# Altium PCB rpi_pico_2_hat.PcbDoc (part 1 of 2)
Units mil, origin at the board's own origin, x right, y up, seen from the top; angles counter-clockwise.
Board outline 970.71 x 2205.08 mil, 4 copper layers (Top Layer, Ground Plane, Middle Layer, Bottom Layer), stack 61.368 mil thick; 73 components, 64 nets, 231 pads, 151 vias.
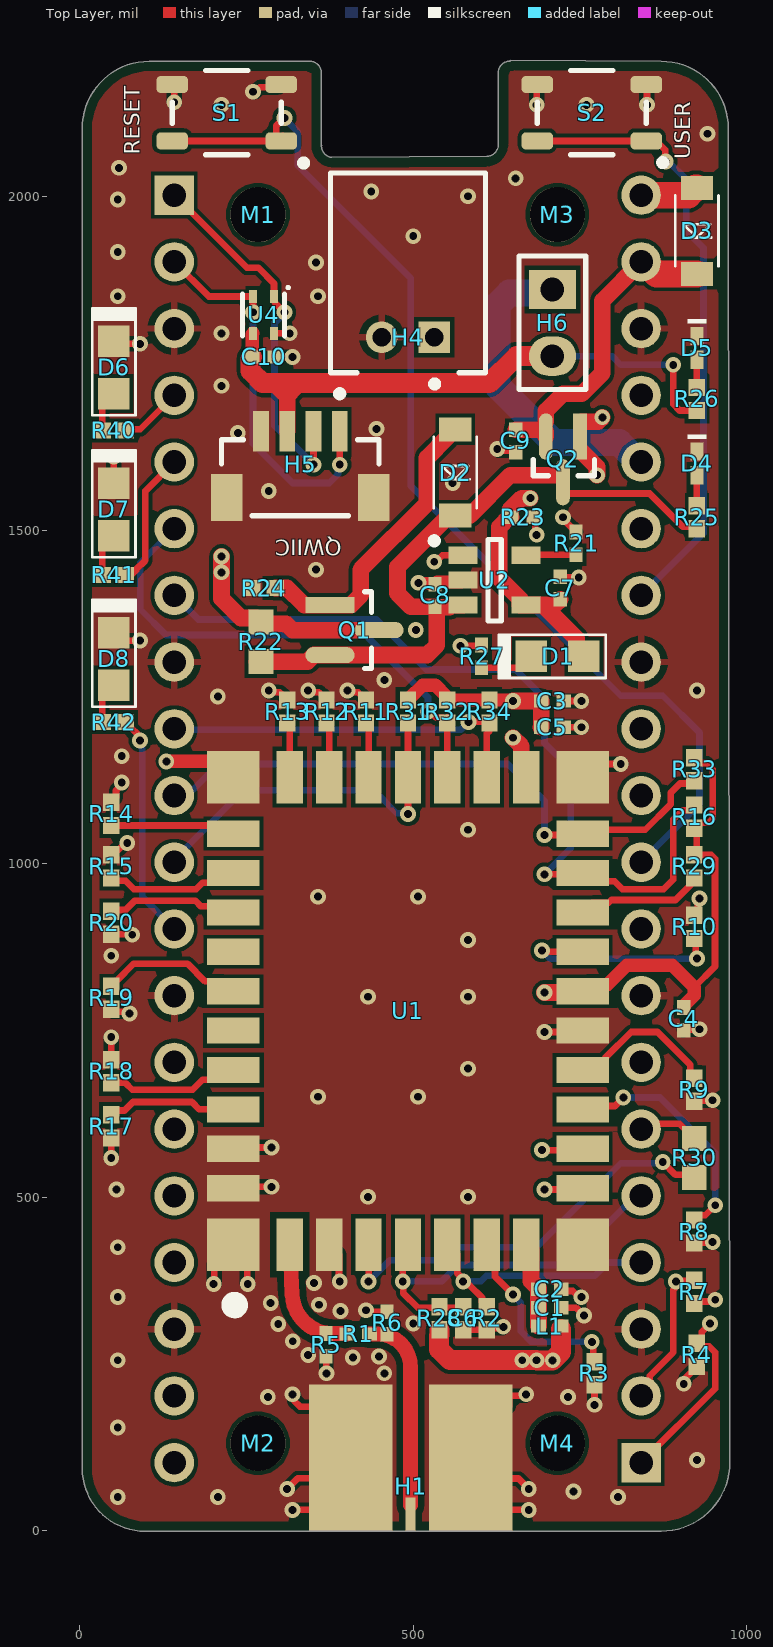
[diagram p0: Top Layer view]
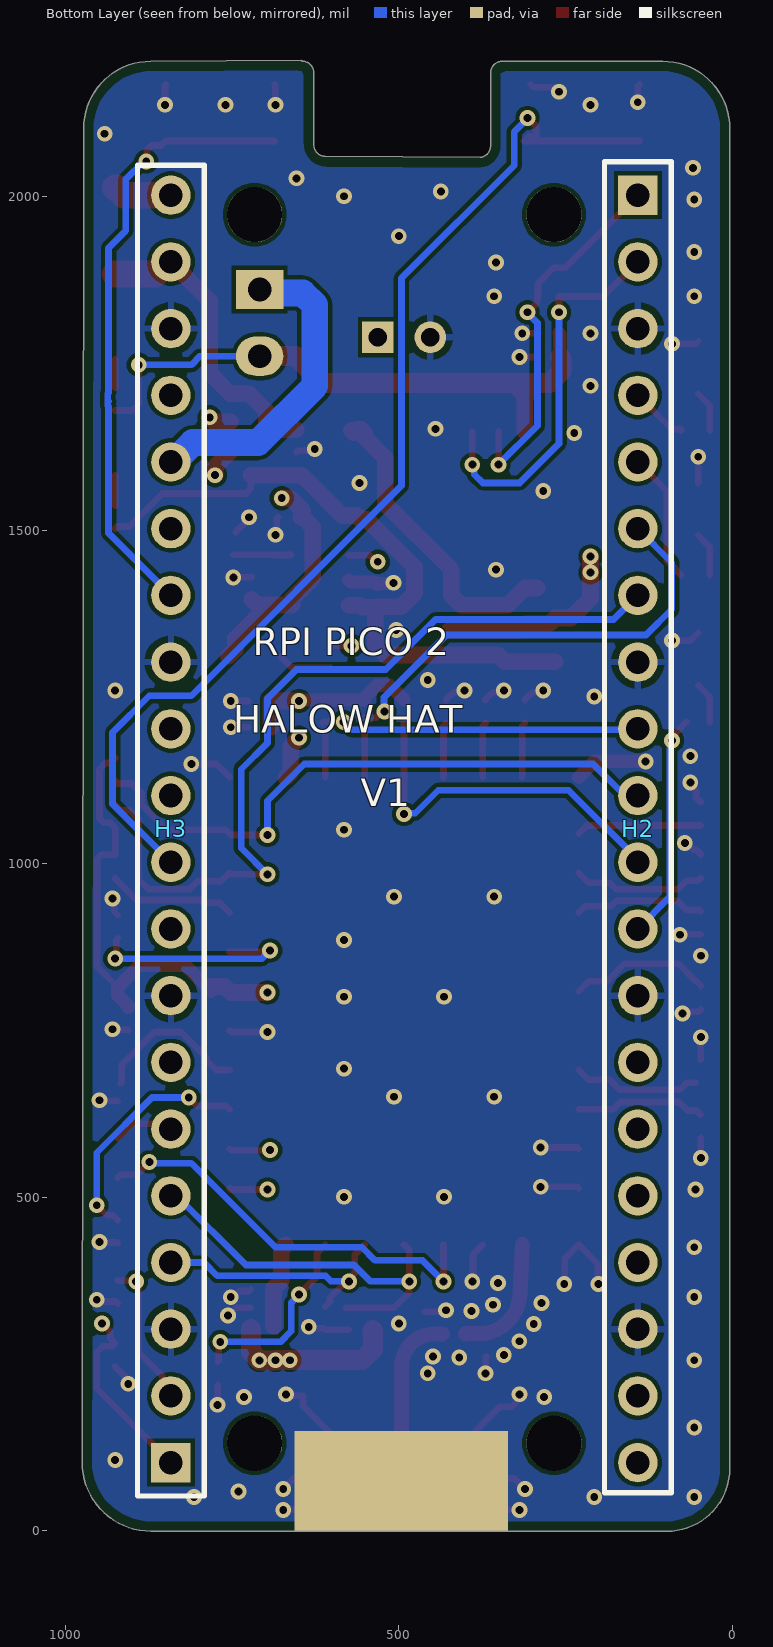
[diagram p1: Bottom Layer view, seen from below]
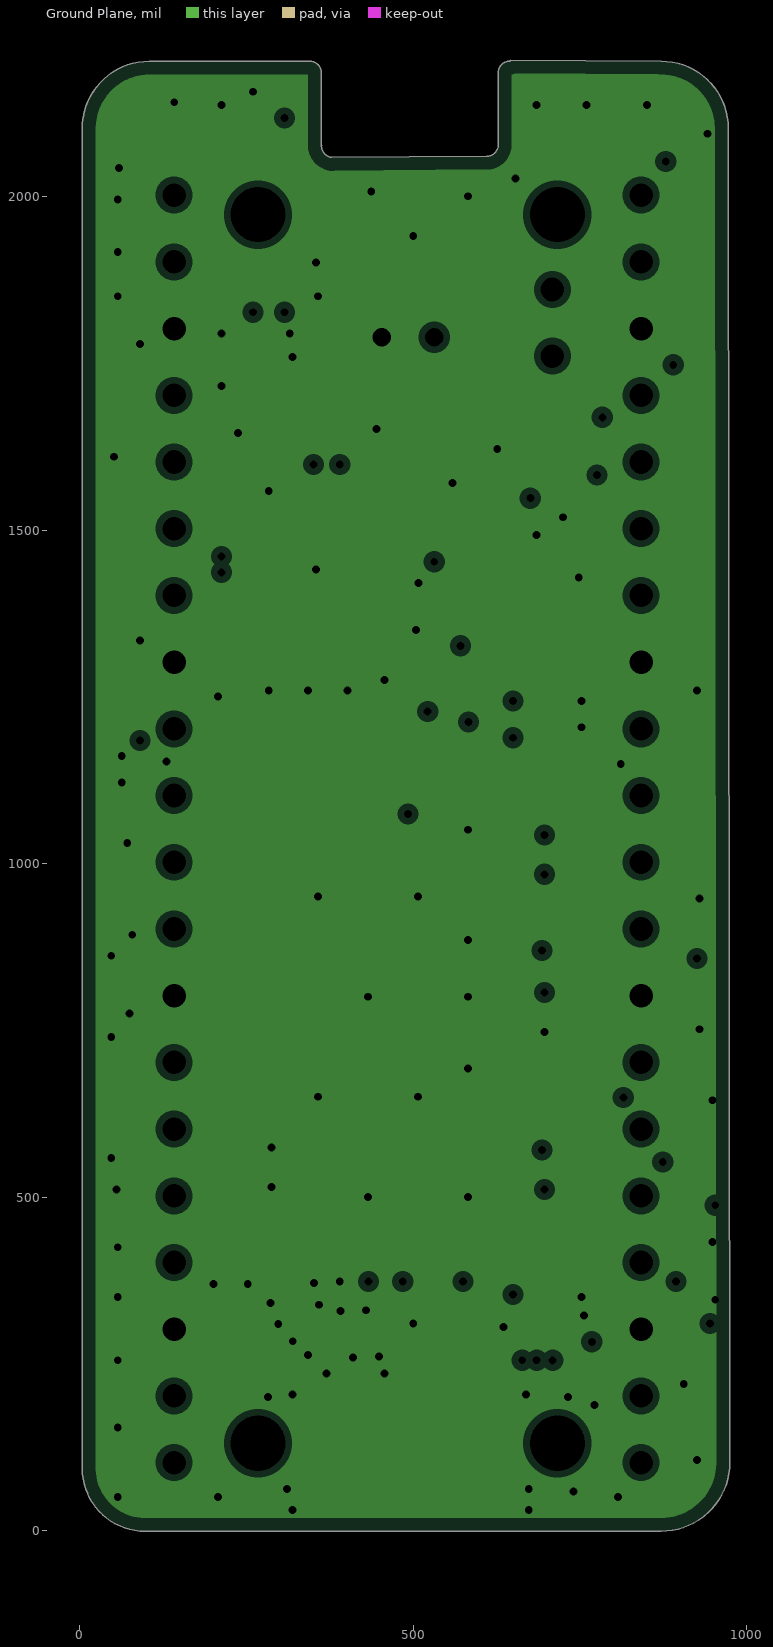
[diagram p2: Ground Plane, clearances drawn from the general rule]
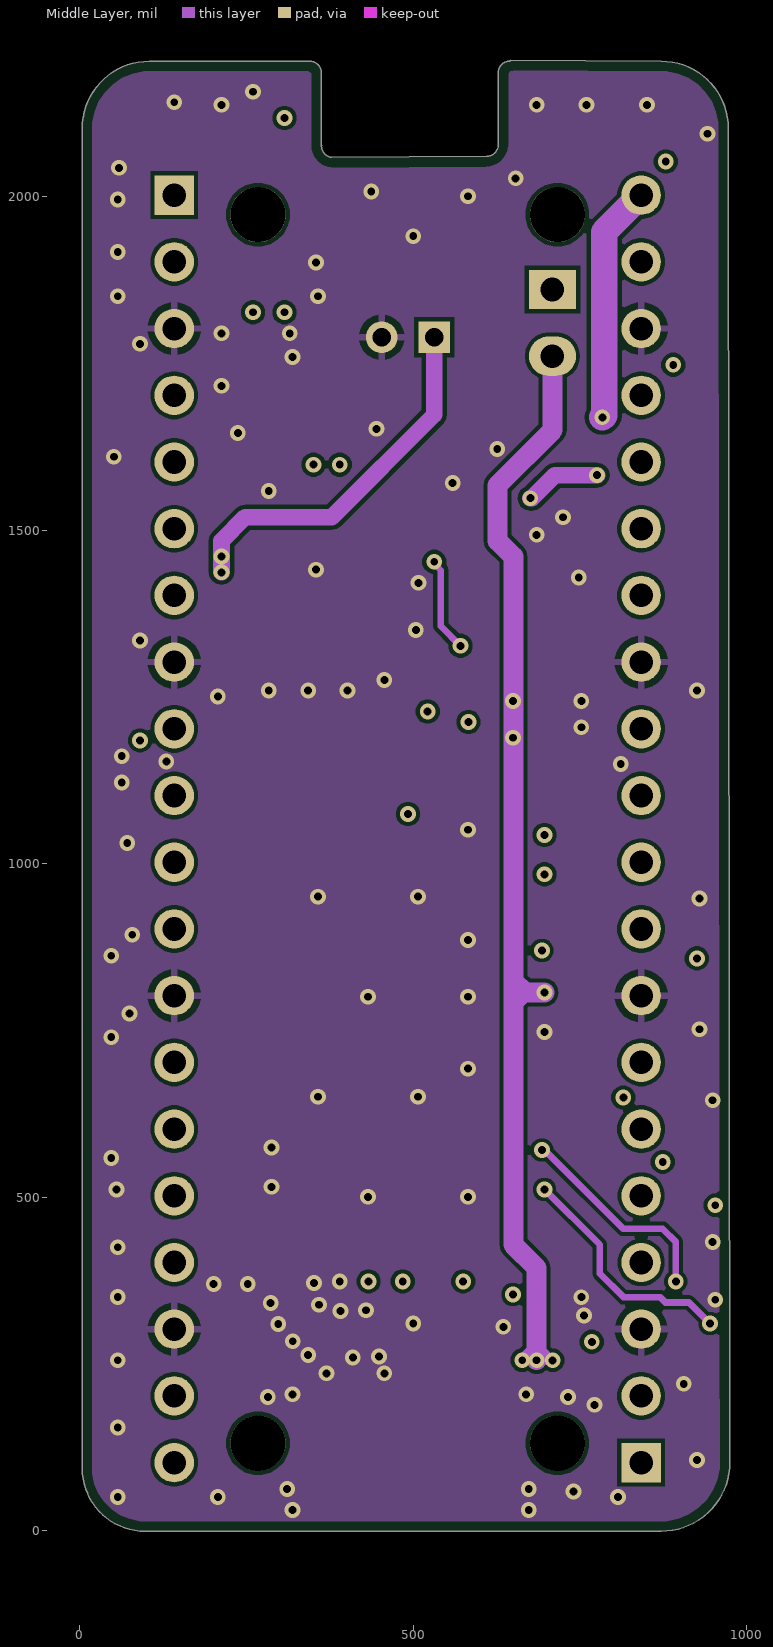
[diagram p3: Middle Layer]

## Layer stack, top to bottom
Top Solder: solder mask 0.8, SM-001, Dk 4.2
Top Layer: signal copper 1.378
Dielectric 2: prepreg 16.117, PP-006, Dk 4.29
Ground Plane: plane copper 1.378, net GND
Dielectric 1: prepreg 23.622, Core, Dk 4.29
Middle Layer: signal copper 1.378
Dielectric 5: prepreg 16.117, PP-006, Dk 4.29
Bottom Layer: signal copper 1.378
Bottom Solder: solder mask 0.8, SM-001, Dk 4.2

## Board outline
3.84,93.63 3.84,2102.36 cw(c104.56,2102.36) 104.56,2203.08 346.46,2203.08 cw(c345.31,2186.19) 362.2,2185.04 362.2,2074.8 362.51,2077.07 ccw(c379.41,2075.93) 377.95,2059.06 377.95,2058.93 610.08,2060.65 610.08,2060.53 ccw(c609.75,2078.41) 627.63,2078.74 627.63,2187.33 cw(c644.52,2186.19) 645.67,2203.08 645.68,2204.62 871.72,2203.08 cw(c871.72,2102.36) 972.44,2102.36 974.55,102.36 cw(c871.72,102.36) 871.72,-0.46 97.93,-0.46 cw(c97.93,93.63)

## Design rules (kind name [scope] priority, off if disabled: settings)
AssemblyTestPointUsage [All] p1: allowmultiple=TRUE
AssemblyTestpoint [All] p1: testpointundercomponent=TRUE minsize=40 maxsize=100 preferedsize=60 minholesize=0 maxholesize=40 preferedholesize=32 testpointgrid=1 usegrid=FALSE gridtolerance=0.01 allowsidetop=TRUE
BoardOutlineClearance [(not OnTopSilkscreen) AND (NOT OnBottomSilkscreen) and (not OnMultiLayer) and (not InComponent('H1'))] p1: gap=15 ignorepadtopadclearanceinfootprint=FALSE
Clearance Clearance_RF_Poly [(InPolygon) vs InNetClass('RF-Net')] p1: gap=10 ignorepadtopadclearanceinfootprint=TRUE
Clearance Clearance_RF [InNetClass('50 Ohms')] p2: gap=10 ignorepadtopadclearanceinfootprint=TRUE
Clearance Clearance_USB [InDifferentialPair('USBC')] p3: gap=6 ignorepadtopadclearanceinfootprint=TRUE
Clearance Clearance_1 [All] p4: gap=6 ignorepadtopadclearanceinfootprint=TRUE
DiffPairsRouting DiffPairsRouting_USBC [InDifferentialPair('USBC')] p1 off: maxlimit=10 minlimit=5 mostfreqgap=10 toplayer_maxgap=6 toplayer_prefgap=6 toplayer_minwidth=7.75 toplayer_maxwidth=11 toplayer_prefwidth=10.26 midlayer1_minwidth=15 midlayer1_maxwidth=15 midlayer1_prefwidth=15 bottomlayer_minwidth=15 bottomlayer_maxwidth=15 bottomlayer_prefwidth=15 impedanceprofiledriven=TRUE maxuncoupledlength=500
FabricationTestPointUsage [All] p1 off: valid=0 allowmultiple=FALSE
FabricationTestpoint [(IsPad And OnMultiLayer)] p1 off: side=1 testpointundercomponent=TRUE minsize=40 maxsize=100 preferedsize=60 minholesize=0 maxholesize=40 preferedholesize=32 testpointgrid=1 allowsidetop=TRUE usegrid=TRUE gridtolerance=0.01
FanoutControl Fanout_BGA [IsBGA] p1 off: bgadir=Out bgaviamode=Centered fanoutstyle=Auto fanoutdirection=Alternating viagrid=1 // Fanout_BGA (Default Rule)
FanoutControl Fanout_LCC [IsLCC] p2 off: bgadir=Out bgaviamode=Centered fanoutstyle=Auto fanoutdirection=Alternating viagrid=1 // Fanout_LCC (Default Rule)
FanoutControl Fanout_SOIC [IsSOIC] p3 off: bgadir=Out bgaviamode=Centered fanoutstyle=Auto fanoutdirection=Alternating viagrid=1 // Fanout_SOIC (Default Rule)
FanoutControl Fanout_Small [(CompPinCount < 5)] p4 off: bgadir=Out bgaviamode=Centered fanoutstyle=Auto fanoutdirection=OutThenIn viagrid=1 // Fanout_Small (Default Rule)
FanoutControl Fanout_Default [All] p5 off: bgadir=Out bgaviamode=Centered fanoutstyle=Auto fanoutdirection=Alternating viagrid=1 // Fanout_Default (Default Rule)
Height TP1 [InComponent('TP1')] p1: minheight=0 maxheight=472.44 prefheight=118.11
Height "POGO Pins" [InComponentClass('POGO')] p2: minheight=0 maxheight=275.59 prefheight=196.85
Height "Under Socket" [WithinRoom('ROOM_SOCKET')] p3: minheight=0 maxheight=157.48 prefheight=118.11
Height [All] p4 off: minheight=0 maxheight=1000 prefheight=500
HoleSize [All] p1: absolutevalues=TRUE maxlimit=200 minlimit=6 maxpercent=80.000 minpercent=20.000
HoleToHoleClearance [All] p1: gap=8 allowstackedmicrovias=TRUE
LayerPairs [All] p1 off: enforce=TRUE
MatchedLengths DCMI [InNetClass('DCMI')] p1: tolerance=1000 checknetsindiffpair=FALSE checkdiffpairvsdiffpair=TRUE checkxsignals=TRUE checkothers=TRUE
MatchedLengths SDIO [InNetClass('SDIO')] p2: tolerance=2000 checknetsindiffpair=FALSE checkdiffpairvsdiffpair=TRUE checkxsignals=TRUE checkothers=TRUE
MatchedLengths SDIO_2 [InNetClass('SDIO_2')] p3: tolerance=2000 checknetsindiffpair=FALSE checkdiffpairvsdiffpair=TRUE checkxsignals=TRUE checkothers=TRUE
MatchedLengths MatchLengths_U1_Passives_J5_1 [InxSignalClass('xSignals_U1_Passives_J5_MatchLengthsClass_1')] p4: tolerance=50 checknetsindiffpair=FALSE checkdiffpairvsdiffpair=TRUE checkxsignals=TRUE checkothers=TRUE
MatchedLengths MatchLengths_U1_Passives_J5 [InxSignalClass('xSignals_U1_Passives_J5_MatchLengthsClass')] p5: tolerance=50 checknetsindiffpair=FALSE checkdiffpairvsdiffpair=TRUE checkxsignals=TRUE checkothers=TRUE
MinimumSolderMaskSliver [not InComponent('U4','U1','U5','U6','U7','U8','U9','U10')] p1: minsoldermaskwidth=1
PlaneClearance [All] p1: clearance=10
PlaneConnect PlaneConnect_1 [(InComponent('J5') OR InComponent('J6') OR InComponent('J13') OR InComponent('J11') OR InComponent('J12')) OR InComponent('H3')] p1: planeconnectstyle=Relief reliefexpansion=15.75 reliefentries=4 reliefconductorwidth=10 reliefairgap=7.87
PlaneConnect [All] p2: pad.planeconnectstyle=Relief pad.reliefexpansion=20 pad.reliefentries=4 pad.reliefconductorwidth=10 pad.reliefairgap=10 via.planeconnectstyle=Direct via.reliefexpansion=20 via.reliefentries=4 via.reliefconductorwidth=10 via.reliefairgap=10
PolygonConnect PolygonConnect_1 [InNet('GND') vs (InComponent('J5') OR InComponent('J6') OR InComponent('J13') OR InComponent('J11') OR InComponent('J12'))] p1: connectstyle=Relief reliefconductorwidth=10 reliefentries=4 polygonreliefangle="90 Angle" airgapwidth=7.87
PolygonConnect [All] p2: thpad.connectstyle=Relief thpad.reliefconductorwidth=10 thpad.reliefentries=4 thpad.polygonreliefangle="90 Angle" thpad.airgapwidth=10 smdpad.connectstyle=Direct smdpad.reliefconductorwidth=10 smdpad.reliefentries=4 smdpad.polygonreliefangle="90 Angle" smdpad.airgapwidth=10 via.connectstyle=Direct via.reliefconductorwidth=10 via.reliefentries=4 via.polygonreliefangle="90 Angle" via.airgapwidth=10
RoutingVias [All] p1: holewidth=11.81 width=23.62 viastyle="Through Hole" minholewidth=8 minwidth=19.68 maxholewidth=28 maxwidth=50
SilkToSilkClearance [All] p1: silktosilkclearance=8
SilkToSolderMaskClearance [IsPad] p1: minsilkscreentomaskgap=4 clearancetoexposedcopper=TRUE
SolderMaskExpansion [All] p1: expansion=4 istentingtop=FALSE
SupplyNets SupplyNets_1 [InNet('VDD33')] p1: voltage=3.300
SupplyNets SupplyNets_2 [InNet('VBAT')] p2: voltage=3.300
SupplyNets SupplyNets_3 [InNet('VDD5')] p3: voltage=5.000
SupplyNets SupplyNets_4 [InNet('VDD5_RPi')] p4: voltage=5.000
SupplyNets SupplyNets_5 [InNet('VDD_FEM')] p5: voltage=4.000
SupplyNets SupplyNets_6 [InNet('VDD_LNA')] p6: voltage=4.000
SupplyNets SupplyNets_7 [InNet('VDD_PA')] p7: voltage=4.000
SupplyNets [InNet('GND')] p8: voltage=0.000
UnConnectedPin [All] p1 off:
UnRoutedNet [All] p1: checkbadconnections=TRUE
Width "RF Width" [InNetClass('50 OHMs')] p1: maxlimit=23.62 minlimit=4.18 preferedwidth=10 toplayer_minwidth=12.51 toplayer_prefwidth=22.3 impedanceprofiledriven=TRUE impedanceprofileid={FF55CEB2-EE64-462C-BC0D-290E837BE369} impedanceprofilevalue=50.000000 minimp=50.000000 maximp=50.000000 favimp=50.000000
Width "RF Width_1" [InDifferentialPair('USBC')] p2: maxlimit=23.62 minlimit=4.18 preferedwidth=10.24 toplayer_minwidth=7 minimp=50.000000 maximp=50.000000 favimp=50.000000
Width [All] p3: maxlimit=50 minlimit=8 preferedwidth=8
10 further rules are at their usual default settings.

## Classes and differential pairs
net class "50 OHMs": ANT NetH1_1

## Components (designator, comment, footprint, x,y, rotation, side; value= is the part's Value field where it differs from the comment)
C1 "CL05A106MP8NUB8" 0402_cap 704.72,334.65 r0 top value=10uF
C2 "C1005X7R1H104K050BE" 0402_cap 704.72,362.2 r0 top value=100nF
C3 "C1005X7R1H104K050BE" 0402_cap 708.66,1244.09 r0 top value=100nF
C4 "CL05A106MP8NUB8" 0402_cap 905.51,767.72 r270 top value=10uF
C5 "C1005X7R1H104K050BE" 0402_cap 708.66,1204.72 r0 top value=100nF
C6 "CAP" CAPC1005X06N 574.8,318.9 r270 top value=2.2uF
C7 "C1005X5R0J475K050BC" 0402_cap 720.47,1413.39 r90 top value=4.7uF
C8 "C1005X5R0J475K050BC" 0402_cap 532.69,1402.3 r90 top value=4.7uF
C9 "C1005X7R1H104K050BE" 0402_cap 653.54,1633.86 r90 top value=100nF
C10 "C1005X7R1H104K050BE" 0402_cap 275.59,1759.84 r180 top value=100nF
D1 "LTST-C170KRKT" LED_0805_RED 716.54,1311.02 r180 top value=Red
D2 "MMSZ5231B7F" SOD-123FL 562.99,1586.61 r90 top
D3 "MBR0530T3G" SOD-123FL 925.2,1948.82 r90 top
D4 "XZVGR68W-3" LED_0402_GREEN 925.2,1600.39 r90 top value=Green
D5 "XZVGR68W-3" LED_0402_GREEN 925.2,1773.62 r90 top value=Green
D6 "LTST-C170KRKT" LED_0805_RED 51.18,1744.09 r90 top value=Red
D7 "LTST-C170KGKT" LED_0805_GREEN 51.18,1531.5 r90 top value=Green
D8 "LTST-C170TBKT" LED_0805_BLUE 51.18,1307.09 r90 top value=Blue
H1 "142-0761-861" SMA_EMERSON_142_0761_861 496.06,-0.2 r180 top
H2 "1x20 Female Header" HDR1X20F 141.7,2002.36 r270 bottom
H3 "1x20 Female Header" HDR1X20F 841.7,102.36 r90 bottom
H4 "S2B-PH-K-S(LF)(SN)" JST-S2B-PH-K-S_V 492.13,1885.83 r180 top
H5 "BM04B-SRSS-TB" FP-BM04B-SRSS-TBT_LF_SN-MFG 330.71,1578.74 r180 top
H6 "2011-1X02G00SB-1" HDR1X2 708.66,1811.02 r270 top
L1 "BLM15PX600SN1D" 0402_ind 704.72,307.09 r0 top value="60 Ohms @ 100MHz"
M1 "PAD0009" MH_300_275_NPTH 267.29,1973.23 r0 top
M2 "PAD0009" MH_300_275_NPTH 267.29,131.49 r0 top
M3 "PAD0009" MH_300_275_NPTH 716.11,1973.23 r0 top
M4 "PAD0009" MH_300_275_NPTH 716.11,131.49 r0 top
Q1 "IRLML6401TRPBF" FP-SOT23-IPC_A 412,1350.39 r0 top
Q2 "NTS4101PT1G" FP-419-04-IPC_A 724.41,1606.3 r270 top
R1 "RC0402JR-070RL" 0402_res 417.32,295.28 r0 top value=0R
R2 "ERJ-2RKF1002X" RESC1005X04N 610.24,318.9 r90 top value=10K
R3 "ERJ-2RKF1002X" RESC1005X04N 771.65,236.22 r90 top value=10K
R4 "ERJ-2RKF1002X" RESC1005X04N 925.2,263.78 r90 top value=10K
R5 "RC0402JR-070RL" 0402_res 369.24,279.06 r270 top value=0R
R6 "RC0402JR-070RL" 0402_res 460.71,311.7 r90 top value=0R
R7 "ERJ-2RKF1002X" RESC1005X04N 921.26,358.27 r90 top value=10K
R8 "ERJ-2RKF1002X" RESC1005X04N 921.26,448.82 r90 top value=10K
R9 "ERJ-2RKF1002X" RESC1005X04N 921.26,661.42 r90 top value=10K
R10 "ERJ-2RKF1002X" RESC1005X04N 921.26,905.51 r270 top value=10K
R11 "ERJ-2RKF1002X" RESC1005X04N 429.13,1228.35 r270 top value=10K
R12 "ERJ-2RKF1002X" RESC1005X04N 370.08,1228.35 r270 top value=10K
R13 "ERJ-2RKF1002X" RESC1005X04N 311.02,1228.35 r270 top value=10K
R14 "ERJ-2RKF1002X" RESC1005X04N 47.24,1074.8 r270 top value=10K
R15 "ERJ-2RKF1002X" RESC1005X04N 47.24,996.06 r270 top value=10K
R16 "MCR01MZPF4702" RESC1005X04N 921.26,1070.87 r90 top value=47k
R17 "ERJ-2RKF1002X" RESC1005X04N 47.24,606.3 r270 top value=10K
R18 "ERJ-2RKF1002X" RESC1005X04N 47.24,688.98 r90 top value=10K
R19 "ERJ-2RKF1002X" RESC1005X04N 47.24,799.21 r270 top value=10K
R20 "ERJ-2RKF1002X" RESC1005X04N 47.24,911.81 r270 top value=10K
R21 "RC0402FR-072KL" 0402_res 744.09,1480.31 r90 top value=2K
R22 "RC0603JR-070RL" RESC1608X06N 271.65,1332.68 r270 top value=0R
R23 "RC0402FR-07100KL" 0402_res 664.1,1519.68 r0 top value=100K
R24 "RC0402FR-07330RL" RESC1005X04N 275.59,1413.39 r180 top value=330R
R25 "ERJ-2RKF1001X" RESC1005X04N 925.2,1519.68 r90 top value=1K
R26 "ERJ-2RKF1001X" RESC1005X04N 925.2,1696.85 r90 top value=1K
R27 "RC0402FR-07470RL" 0402_res 602.36,1311.02 r90 top value=470R
R28 "RES" RESC1005X04N 539.37,318.9 r90 top value=220k
R29 "MCR01MZPF4702" RESC1005X04N 921.26,996.06 r270 top value=47k
R30 "RES" RESC1608X06N 921.26,559.06 r90 top value=10k
R31 "MCR01MZPF4702" RESC1005X04N 492.13,1228.35 r270 top value=47k
R32 "MCR01MZPF4702" RESC1005X04N 551.18,1228.35 r270 top value=47k
R33 "MCR01MZPF4702" RESC1005X04N 921.26,1141.73 r270 top value=47k
R34 "MCR01MZPF4702" RESC1005X04N 614.17,1228.35 r270 top value=47k
R40 "ERJ-2RKF1001X" RESC1005X04N 51.31,1649.61 r180 top value=1K
R41 "ERJ-2RKF1001X" RESC1005X04N 51.31,1433.07 r180 top value=1K
R42 "ERJ-2RKF1001X" RESC1005X04N 51.31,1212.6 r180 top value=1K
S1 "PTS810 SJG 250 SMTR LFS" SW_PTS810 220.47,2125.98 r180 top
S2 "PTS810 SJG 250 SMTR LFS" SW_PTS810 767.72,2125.98 r180 top
U1 "MM6108-MF08651-US" MF04 492.13,779.53 r90 top value=MM61xx-MF08251
U2 "MCP73832T-2ATI/OT" SOT-23-OT5_N 622.05,1425.2 r0 top
U4 "SHT40-AD1B-R3" DFN140P150X59-4N 275.59,1822.83 r270 top

## Footprints (in the part's own frame and the unit in brackets; to place one, negate y for a bottom-side part, rotate by r counter-clockwise, add the part's x,y. Pads: shape width x height; smd on the part's side, far side on the other; paste and mask are expansions set on the pad)
0402_cap [mil]
  rect 22x20 smd: 1(-17,0) 2(17,0)
  body extent -21,-11 21,11, height 22
0402_ind [mil]
  rect 22x20 smd: 1(-17,0) 2(17,0)
  body extent -22,-12 22,12, height 20
0402_res [mil]
  rect 22x20 smd: 1(-17,0) 2(17,0)
  body extent -21,-11 21,11, height 16
CAPC1005X06N [mm] "Chip Capacitor, 2-Leads, Body 1.00x0.50mm, IPC Medium Density"
  rect 0.66x0.62 smd: 1(-0.44,0) 2(0.44,0)
  body extent -0.53,-0.28 0.53,0.28, height 0.55
DFN140P150X59-4N [mm] "DFN, 4-Leads, Body 1.50x1.50mm, Pitch 1.40mm, IPC Medium Density"
  rect 0.5x0.3 smd: 1(-0.7,0.4) 2(-0.7,-0.4) 3(0.7,-0.4) 4(0.7,0.4)
  silkscreen extent -1.09,-0.8 0.8,0.99, body extent -0.8,-0.8 0.8,0.8, height 0.59
FP-419-04-IPC_A [mm]
  rect 1.765x0.522 smd paste+0 mask+0: 1(-0.871,0.65)
  rrect100% 1.765x0.522 smd paste+0 mask+0: 2(-0.871,-0.65) 3(0.871,0)
  silkscreen extent 0.02,-1.13 0.62,1.2
FP-BM04B-SRSS-TBT_LF_SN-MFG [mm]
  rect 0.6x1.55 smd paste+0 mask+0: 1(-1.5,-1.775) 2(-0.5,-1.775) 3(0.5,-1.775) 4(1.5,-1.775)
  rect 1.2x1.8 smd paste+0 mask+0: 5(-2.8,0.75) 6(2.8,0.75)
  silkscreen extent -3,-3.32 3,1.45, body extent -3.5,-2.65 3.5,1.75, height 0.25
FP-SOT23-IPC_A [mm]
  rect 1.874x0.612 smd paste+0 mask+0: 1(-0.935,0.95)
  rrect100% 1.874x0.612 smd paste+0 mask+0: 2(-0.935,-0.95) 3(0.935,0)
  silkscreen extent 0.38,-1.46 0.65,1.46, body extent -2.37,-1.96 2.37,1.96, height 0.25
HDR1X2 [mm] "Connector; Header; 2 Position"
  rect 1.5x1.8 hole 0.9: 1(-1.27,0)
  oval 1.5x1.8 hole 0.9: 2(1.27,0)
  silkscreen extent -2.54,-1.27 2.54,1.27, body extent -2.54,-1.22 2.54,1.22, height 10.3
HDR1X20F [mm] "Connector; Header; 20 Position Female"
  rect 1.5x1.5 hole 0.9: 1(0,0)
  round 1.5 hole 0.9: 2(2.54,0) 3(5.08,0) 4(7.62,0) 5(10.16,0) 6(12.7,0) 7(15.24,0) 8(17.78,0) 9(20.32,0) 10(22.86,0) 11(25.4,0) 12(27.94,0) 13(30.48,0) 14(33.02,0) 15(35.56,0) 16(38.1,0) 17(40.64,0) 18(43.18,0) 19(45.72,0) 20(48.26,0)
  silkscreen extent -1.27,-1.27 49.4,1.27, body extent -1.27,-1.27 49.53,1.27, height 8
JST-S2B-PH-K-S_V [mm] "THD, 2-Leads, Body 7.6x5.9mm, Pitch 2mm"
  rect 1.2x1.2 hole 0.7: 1(-1,2.45)
  round 1.2 hole 0.7: 2(1,2.45)
  silkscreen extent -2.95,-3.8 2.95,4.35, body extent -2.95,-3.8 2.95,3.8, height 4.8
LED_0402_GREEN [mm]
  rect 0.7x0.5 smd: A(-0.45,0) K(0.45,0)
  silkscreen extent 0.93,-0.37 1.1,0.35, body extent -0.5,-0.25 0.5,0.25, height 0.51
LED_0805_BLUE [mm]
  rect 1.2x1.2 smd: A(-1,0) K(1,0)
  silkscreen extent -1.83,-0.82 2.25,0.82, body extent -1,-0.63 1,0.63, height 1.1
LED_0805_GREEN [mm]
  rect 1.2x1.2 smd: A(-1,0) K(1,0)
  silkscreen extent -1.83,-0.82 2.25,0.82, body extent -1,-0.63 1,0.63, height 1.1
LED_0805_RED [mm]
  rect 1.2x1.2 smd: A(-1,0) K(1,0)
  silkscreen extent -1.83,-0.82 2.25,0.82, body extent -1,-0.63 1,0.63, height 1.1
MF04 [mm]
  rect 2x2 smd: 1(-8.9,6.65) 12(8.9,6.65) 20(8.9,-6.65) 31(-8.9,-6.65)
  rect 1x2 smd: 2(-6.75,6.65) 3(-5.25,6.65) 4(-3.75,6.65) 5(-2.25,6.65) 6(-0.75,6.65) 7(0.75,6.65) 8(2.25,6.65) 9(3.75,6.65) 10(5.25,6.65) 11(6.75,6.65) 21(6.75,-6.65) 22(5.25,-6.65) 23(3.75,-6.65) 24(2.25,-6.65) 25(0.75,-6.65) 26(-0.75,-6.65) 27(-2.25,-6.65) 28(-3.75,-6.65) 29(-5.25,-6.65) 30(-6.75,-6.65)
  rect 2x1 smd: 13(8.9,4.5) 14(8.9,3) 15(8.9,1.5) 16(8.9,0) 17(8.9,-1.5) 18(8.9,-3) 19(8.9,-4.5) 32(-8.9,-4.5) 33(-8.9,-3) 34(-8.9,-1.5) 35(-8.9,0) 36(-8.9,1.5) 37(-8.9,3) 38(-8.9,4.5)
  silkscreen extent -11.45,6.35 -10.95,6.85, body extent -9.25,-7 9.25,7, height 1.9
MH_300_275_NPTH [mm] "Non-plated mount hole M2.5 3.00mm diameter"
  round 2.1 hole 2.1 unplated mask+0.25: 1(0,0)
RESC1005X04N [mm] "Chip Resistor, 2-Leads, Body 1.00x0.50mm, IPC Medium Density"
  rect 0.66x0.62 smd: 1(-0.44,0) 2(0.44,0)
  body extent -0.53,-0.28 0.53,0.28, height 0.4
RESC1608X06N [mm] "Chip Resistor, 2-Leads, Body 1.55x0.80mm, IPC Medium Density"
  rect 0.95x0.95 smd: 1(-0.75,0) 2(0.75,0)
  body extent -0.8,-0.45 0.8,0.45, height 0.55
SMA_EMERSON_142_0761_861 [mil]
  rect 15x50 smd mask+3: 1(0,-25)
  rect 125x220 smd mask+3: 2(-90,-110) 2(90,-110)
  rect 320x150 smd far side: 2(0,-75)
  body extent -124,-180 123,374, height 133
SOD-123FL [mm] "Surface Mount Schottky Diode"
  rect 0.91x1.22 smd: A(1.64,0) K(-1.64,0)
  silkscreen extent -1.35,-0.82 1.35,0.82, body extent -1.8,-0.82 1.8,0.82, height 1.01
SOT-23-OT5_N [mm] "SOT23, 5-Leads, Body 2.9x1.7mm, Pitch 0.95mm, Lead Span 2.8mm, IPC Medium Density"
  rect 1.1x0.65 smd: 1(-1.2,0.95) 2(-1.2,0) 3(-1.2,-0.95) 4(1.2,-0.95) 5(1.2,0.95)
  silkscreen extent -2.42,-1.55 0.25,1.62, body extent -0.9,-1.55 0.9,1.55, height 1.45
SW_PTS810 [mm] "4-leads, 4.2x3.2mm, 400g Force, SPST-NO, 0.05A, 16V"
  rrect50% 1.2x0.65 smd: 1(-2.075,1.075) 2(2.075,1.075) 3(-2.075,-1.075) 4(2.075,-1.075)
  silkscreen extent -3.05,-1.61 2.07,2.04, body extent -2.1,-1.53 2.05,1.68, height 2.7

## Part data
C1 C4: library part CAP0046-13, "CAP CER 10UF 10V 20% X5R 0402", Package=0402, Tolerance=20%, Voltage=10V, ClassName=CHIP_MICRO, Generic Allowed=Yes, Subtype=Ceramic
C2 C3 C5 C9 C10: library part CAP0068-11, "CAP CER 100NF 50V ±10% X7R 0402", Component Rating=X7R, Package=0402, Tolerance=10%, Voltage=50V, ClassName=CHIP_MICRO, Generic Allowed=Yes, Subtype=Ceramic
C6: library part CAP0086, "CAP CER 2.2UF 6.3V 20% X5R 0402", Component Rating=X5R, Manufacturer 1="Taiyo Yuden", Manufacturer Part Number 1=JMK105BJ225MV-F, Package=0402, Supplier Part Number 1=587-1453-2-ND, Tolerance=20%, Voltage=6.3V, ClassName=CHIP_MICRO, Generic Allowed=Yes, Item_Number=CAP0086, Subtype=Ceramic, Supplier 1=Digi-Key
C7 C8: library part CAP0075-12, "CAP CER 4.7UF 6.3V ±10% X5R 0402", Component Rating=X5R, Package=0402, Tolerance=10%, Voltage=6.3V, ClassName=CHIP_MICRO, Generic Allowed=Yes, Subtype=Ceramic
D1 D6: library part DIO0016-2, "LED, Red Clear,2.0V, SMD, 0805, RoHS", Component Rating="Clear, 2.0V", Package=SMD-0805, ClassName=CHIP_OTHER, Generic Allowed=Yes
D2: library part DIO0072-1, "DIODE ZENER 5.1V 500MW SOD-123"
D3: library part DIO0044-2, "DIODE SCHOTTKY 30V 500MA SOD123", Current=500mA, Package=SOD-123, Voltage=30V, ClassName=COMP_OTHER, Generic Allowed=Yes
D4 D5: library part DIO0053-3, "LED GREEN 0402 SMD", Package=0402, Voltage=2.0V, ClassName=CHIP_OTHER, Generic Allowed=Yes
D7: library part DIO0015-2, "LED, Green Clear,2.0V, SMD, 0805, RoHS", Component Rating="Clear, 2.0V", Package=SMD-0805, ClassName=CHIP_OTHER, Generic Allowed=Yes
D8: library part DIO0018-2, "LED, Blue Clear,3.3V, SMD, 0805, RoHS", Component Rating="Clear, 3.3V", Package=SMD-0805, ClassName=CHIP_OTHER, Generic Allowed=Yes
H1: library part JCK0001-2, "Conn, SMA Jack 50 Ohm PCB Edge Mount Gold, RoHS", Package="Edge Mnt", ClassName=COMP_OTHER, Generic Allowed=No
H2 H3: library part HDR0128-1
H4: library part HDR0129-2, "Header for PCB; pitch 2.00mm; 2-contacts; THT; male; side entry; 100V/2A"
H5: library part HDR0131-2, "Board Connector, 4 Contact(s), 1 Row(s), Male, Straight, Surface Mount Terminal"
H6: library part HDR0006-2, "Conn Straight Header 2x1 0.100\" 2 POS", Package=THRU-Hole, ClassName=COMP_OTHER, Generic Allowed=Yes, Pins=2
L1: library part IND0062-6, "BEAD 60OHMS 2500MA 32 MOHM", Current=2.5A, DC Resistance=32mOhm, Package=0402, ClassName=CHIP_MICRO, Generic Allowed=Yes, Resistance=32mOhm
M1 M2 M3 M4: library part PAD0009-2, "MH NPTH 3.00mm DIA 2.75mm HOLE", ClassName=PCB_PATTERN, Shape=Round
Q1: library part TSR0020-1, "Small Signal Field-Effect Transistor", Avalanche Energy Rating (Eas)=33mJ, Drain Current-Max (Abs) (ID)=4.3A, Drain-source On Resistance-Max=50mR, DS Breakdown Voltage-Min=12V, Max Operating Temperature=150°C, Operating Mode="ENHANCEMENT MODE", Package Body Material=Plastic, Package Shape=Rectangular, Package Style="SMALL OUTLINEMeter", Peak Reflow Temperature (Cel)=260°C, Power Dissipation-Max (Abs)=1.3W, Pulsed Drain Current-Max (IDM)=34A, Time @ Peak Reflow Temperature-Max (s)=30s, Additional Feature="HIGH RELIABILITY", Drain Current-Max (ID)=4.3A, FET Technology="METAL-OXIDE SEMICONDUCTOR", JESD-30 Code=R-PDSO-G3, JESD-609 Code=e3, Moisture Sensitivity Level=1, Number of Elements=1, Pins=3, Polarity/Channel Type=P-CHANNEL, Qualification Status="Not Qualified", Reach SVHC Compliant=Yes, RoHS Compliant=Yes, Surface Mount=Yes, Terminal Finish=Tin, Terminal Form="Gull Wing", Terminal Position=DUAL, Transistor Application=SWITCHING, Transistor Element Material=SILICON
Q2: library part TSR0021-1, "Small Signal Field-Effect Transistor, 1.37A I(D), 20V, 1-Element, P-Channel, Silicon, Metal-oxide Semiconductor FET", Drain Current-Max (Abs) (ID)=1.37A, Drain-source On Resistance-Max=120mR, DS Breakdown Voltage-Min=20V, Max Operating Temperature=150°C, Operating Mode="ENHANCEMENT MODE", Package Body Material=Plastic, Package Shape=Rectangular, Package Style="SMALL OUTLINEMeter", Peak Reflow Temperature (Cel)=260°C, Power Dissipation-Max (Abs)=329mW, Time @ Peak Reflow Temperature-Max (s)=40s, Drain Current-Max (ID)=1.37A, Feedback Cap-Max (Crss)=85pF, FET Technology="METAL-OXIDE SEMICONDUCTOR", JESD-30 Code=R-PDSO-G3, JESD-609 Code=e3, Moisture Sensitivity Level=1, Number of Elements=1, Pins=3, Polarity/Channel Type=P-CHANNEL, Qualification Status="Not Qualified", Reach SVHC Compliant=Yes, RoHS Compliant=Yes, Surface Mount=Yes, Terminal Finish=Tin, Terminal Form="Gull Wing", Terminal Position=DUAL, Transistor Application=SWITCHING, Transistor Element Material=SILICON
R1 R5 R6: library part RES0039-10, "RES SMD 0R OHM ±1% 1/16W 0402", Package=0402, Power=1/16W, Tolerance=1%, ClassName=CHIP_MICRO, Generic Allowed=Yes, Subtype="Thin Film"
R2 R3 R4 R7 R8 R9 R10 R11 R12 R13 R14 R15 R17 R18 R19 R20: library part RES0002-8, "RES SMD 10K OHM ±1% 1/10W 0402", Package=0402, Power=1/10W, Tolerance=1%, ClassName=CHIP_MICRO, Generic Allowed=Yes
R16 R29 R31 R32 R33 R34: library part RES0086-8, "RES SMD 47K OHM ±1% 1/16W 0402", Package=0402, Power=1/16W, Tolerance=1%, ClassName=CHIP_MICRO, Generic Allowed=Yes
R21: library part RES0030-9, "RES SMD 2K OHM ±1% 1/16W 0402", Package=0402, Power=1/16W, Tolerance=1%, ClassName=CHIP_MICRO, Generic Allowed=Yes
R22: library part RES0119-6, "RES SMD 0R OHM ±5% 1/10W 0603", Package=0603, Power=1/10W, Tolerance=5%, ClassName=CHIP_OTHER, Generic Allowed=Yes
R23: library part RES0023-9, "RES SMD 100K OHM ±1% 1/16W 0402", Package=0402, Power=1/16W, Tolerance=1%, ClassName=CHIP_MICRO, Generic Allowed=Yes
R24: library part RES0025-8, "RES SMD 330R OHM ±1% 1/16W 0402", Package=0402, Power=1/16W, Tolerance=1%, ClassName=CHIP_MICRO, Generic Allowed=Yes
R25 R26 R40 R41 R42: library part RES0004-8, "RES SMD 1K OHM ±1% 1/10W 0402", Package=0402, Power=1/10W, Tolerance=1%, ClassName=CHIP_MICRO, Generic Allowed=Yes
R27: library part RES0084-9, "RES SMD 470R OHM ±1% 1/16W 0402", Package=0402, Power=1/16W, Tolerance=1%, ClassName=CHIP_MICRO, Generic Allowed=Yes
R28: library part RES0064, "Res, 220k Ohms, 1/16W, 1%, 0402,SMD", Manufacturer 1=Rohm, Manufacturer 2=Yageo, Manufacturer Part Number 1=MCR01MZPF2203, Manufacturer Part Number 2=RC0402FR-07220KL, Package=0402, Power=1/16W, Supplier Part Number 1=311-220KLRCT-ND, Tolerance=1%, ClassName=CHIP_MICRO, Generic Allowed=Yes, Item_Number=RES0064, Supplier 1=Digi-Key, Supplier 2=Digi-Key, Supplier Part Number 2=311-220KLRTR-ND
R30: library part RES0124, "Res, 10K Ohm, 1/10W,+/-1%,0603 RoHS", Manufacturer 1=Rohm, Manufacturer 2=Yageo, Manufacturer Part Number 1=MCR03EZPFX1002, Manufacturer Part Number 2=RC0603FR-0710KL, Package=0603, Power=1/10W, Supplier Part Number 1=311-10.0KHRCT-ND, Tolerance=1%, ClassName=CHIP_OTHER, Generic Allowed=Yes, Item_Number=RES0124, Supplier 1=Digi-Key, Supplier 2=Digi-Key, Supplier Part Number 2=311-10.0KHRTR-ND
S1 S2: library part SWH0026-1, "SWITCH TACTILE SPST-NO 0.05A 16V", Package=SMD, ClassName=COMP_OTHER, Generic Allowed=No, Pins=4
U1: library part MOD0010-3, "MM61xx-MF08", ClassName=COM_OTHER, Item_Number=MOD0061
U2: library part ICT0232-1, "Power Supply Support Circuit, Adjustable, 1 Channel, PDSO5", Case/Package=LSSOP, Max Operating Temperature=85°C, Max Supply Voltage=6V, Min Operating Temperature=-40°C, Min Supply Voltage=3.75V, Package Body Material=Plastic, Package Equivalence Code=TSOP5/6,.11,37, Package Shape=Rectangular, Package Style="SMALL OUTLINE, LOW PROFILE, SHRINK PITCHMeter", Peak Reflow Temperature (Cel)=260°C, Power Supplies=3.3/5V, Supply Current-Max (Isup)=1.5mA, Temperature Grade=INDUSTRIAL, Time @ Peak Reflow Temperature-Max (s)=40s, Adjustable Threshold=Yes, Channels=1, Height - Seated (Max)=1.45mm, JESD-30 Code=R-PDSO-G5, JESD-609 Code=e3, Length=2.95mm, Moisture Sensitivity Level=1, Number of Channels=1, Pins=5, Qualification Status="Not Qualified", Reach SVHC Compliant=Yes, RoHS Compliant=Yes, Surface Mount=Yes, Terminal Finish=Tin, Terminal Form="Gull Wing", Terminal Pitch=0.95mm, Terminal Position=DUAL, Throw Configuration="POWER SUPPLY SUPPORT CIRCUIT", Width=1.65mm
U4: library part ICT0108-3, "IC, Humidity Temperature Sensor 0 ~ 100% RH I²C ±1.8% RH 6 s Surface Mount", Package=DFN-4, ClassName=CHIP_OTHER, Generic Allowed=No

## Via types
v1: diameter 23.62, hole 11.81, Top Layer to Bottom Layer, tented both sides, 151 vias

## Nets (pads, with @x,y where several pads share a name; then routed paths per layer and width w, separated by ;. In a path a pad name is that pad's centre, name@x,y a point inside that pad or via, vN(x,y) a via of type N, cw(c..) or ccw(c..) an arc to the next point about the centre after c; other vN are vias at no path point)
+3V3: C3.1 C4.1 C5.1 C10.2 H5.3 H6.2 L1.2 R16.1 R26.1 R28.1 R29.1 R31.1 R32.1 R33.1 R34.1 U1.19 U1.25 U4.3 | length 3788.8
  Top Layer w10: v1(889.76,1748.03) 889.76,1688.98 899.21,1679.53 R26.1@925.2,1679.53 ; 921.26,814.96 952.44,846.14 952.44,1007.53 946.58,1013.39 925.2,1013.39 925.2,1054.33 932.4,1061.54 942.96,1061.54 948.82,1067.39 948.82,1141.73 939.49,1151.06 932.4,1151.06 925.2,1158.27 R33.1@925.2,1159.06
  Top Layer w20: C10.2@258.59,1759.84 258.59,1794.02 U4.3@259.84,1795.28 ; R31.1@492.13,1245.67 492.13,1246.46 494.33,1248.66 495.12,1248.66 514.17,1267.72 533.32,1267.72 R32.1@548.98,1252.06 ; R32.1@551.18,1245.67 R34.1@614.17,1245.67 647.05,1245.67 648.63,1244.09 v1(649.61,1244.09) ; U1.25@781.31,809.06 781.31,816.74 783.31,818.74 790.99,818.74 820.14,847.89 888.33,847.89 921.26,814.96 921.26,803.15 905.51,787.4 C4.1@905.51,784.72
  Top Layer w25: H5.3@311.02,1648.62 311.02,1720.47 ; v1(649.61,1188.98) 662.11,1176.48 662.11,1137.11 U1.19@669.29,1129.92 ; v1(649.61,1244.09) C3.1@691.66,1244.09 C5.1@691.66,1204.72 ; v1(696.85,807.09) 751.97,807.09 U1.25@753.94,809.06 761.12,816.24 U1.25@781.77,816.24
  Top Layer w30: C10.2@258.59,1759.84 255.91,1757.16 255.91,1738.81 274.25,1720.47 311.02,1720.47 614.17,1720.47 654.72,1761.02 H6.2@708.66,1761.02 ; R28.1@539.07,301.08 539.07,293.34 538.73,293 538.73,272.29 555.12,255.91 v1(663.39,255.91) v1(685.04,255.91) 685.26,255.69 v1(709.04,255.69) 721.72,268.37 L1.2@721.72,302.41
  Middle Layer w30: v1@650.05,1188.53 650.05,807.11 ; v1@650.05,1189.42 v1@650.05,1243.65 ; v1@650.05,1244.54 650.05,1460.66 626.43,1484.28 626.43,1567.37 709.11,1650.05 H6.2@709.11,1760.58 ; v1@685.04,256.38 685.04,394.17 650.05,429.16 650.05,807.11 ; v1@696.82,807.11 650.05,807.11
  Bottom Layer w10: H6.2@708.66,1761.02 798.03,1761.02 811.02,1748.03 v1(889.76,1748.03)
+3V3_PICO_OUT: H3.16 H6.1 | length 476.5
  Bottom Layer w40: H6.1@708.66,1861.02 703.38,1855.74 644.13,1855.74 625.98,1837.59 625.98,1716.54 711.04,1631.48 808.74,1631.48 837.87,1602.36 H3.16@841.7,1602.36
+5V: C7.1 D1.A D3.A H3.20 Q2.1 R23.1 U2.4 | length 1007.7
  Top Layer w25: R23.1@647.1,1519.68 R23.1@643.78,1519.68 ; v1(675.57,1548.18) 662.44,1548.18 643.78,1529.53 R23.1@643.78,1519.68 ; 695.18,1387.5 703.38,1379.3 744.78,1337.89 744.78,1322.15 D1.A@755.91,1311.02 ; C7.1@720.47,1396.39 712.18,1388.09 695.18,1388.09 669.59,1388.09 U2.4@669.29,1387.8 660.43,1387.8 660.14,1388.09 660.14,1396.95 629.14,1427.95 629.14,1505.04 R23.1@643.78,1519.68 ; Q2.1@752.22,1618.33 775.59,1594.95 v1(775.59,1582.68) ; Q2.1@752.22,1662.82 776.99,1662.82 v1(783.46,1669.29)
  Top Layer w40: H3.20@841.7,2002.36 912.24,2002.36 923.27,2013.39 D3.A@925.2,2013.39
  Middle Layer w25: v1(675.57,1548.18) 678.11,1548.18 712.6,1582.68 v1(775.59,1582.68)
  Middle Layer w40: v1(783.46,1669.29) 786.18,1672 786.18,1946.83 H3.20@841.7,2002.36
ANT: R1.1 R5.1 U1.38 | length 189.3
  Top Layer w22.3: U1.38@314.96,429.13 316.31,400.76 318.52,354.19 ccw(c379.65,356.97) R5.1@369.34,296.65 ; R5.1@369.24,296.06 398.42,296.06 cw(c398.42,293.37) R1.1@400.32,295.28
BAT_POS: H4.1 Q1.3 R22.1 | length 850.9
  Top Layer w25: v1(212.6,1460.63) v1(212.6,1437.01) 212.6,1397.64 241.83,1368.41 265.45,1368.41 R22.1@271.65,1362.2 ; R22.1@274.69,1359.7 309.59,1359.7 318.9,1350.39 Q1.3@424.42,1350.39
  Middle Layer w25: v1(212.6,1437.01) v1(212.6,1460.63) 212.6,1484.25 248.03,1519.68 377.95,1519.68 531.5,1673.23 H4.1@531.5,1789.37
BAT_VOUT: C8.1 D2.K Q1.2 Q2.3 R22.2 R25.1 U2.3 | length 1021.2
  Top Layer w10: Q2.3@722.19,1582.68 722.19,1562.22 729.29,1555.12 854.33,1555.12 903.85,1505.6 921.96,1505.6 R25.1@925.2,1502.36
  Top Layer w25: R22.2@265.45,1303.15 341.4,1303.15 351.24,1312.99 520.79,1312.99 535.43,1327.64 535.43,1372.76 ; C8.1@532.69,1385.3 496.59,1385.3 476.38,1405.51 476.38,1444.88 548.13,1516.63 557.58,1516.63 D2.K@562.99,1522.05 584.84,1522.05 645.47,1582.68 Q2.3@722.19,1582.68 ; C8.1@535.43,1384.57 554.81,1384.57 557.74,1387.5 574.51,1387.5 U2.3@574.8,1387.8